# Altium PCB Pleiades_PP.PcbDoc (part 11 of 15) (continued)
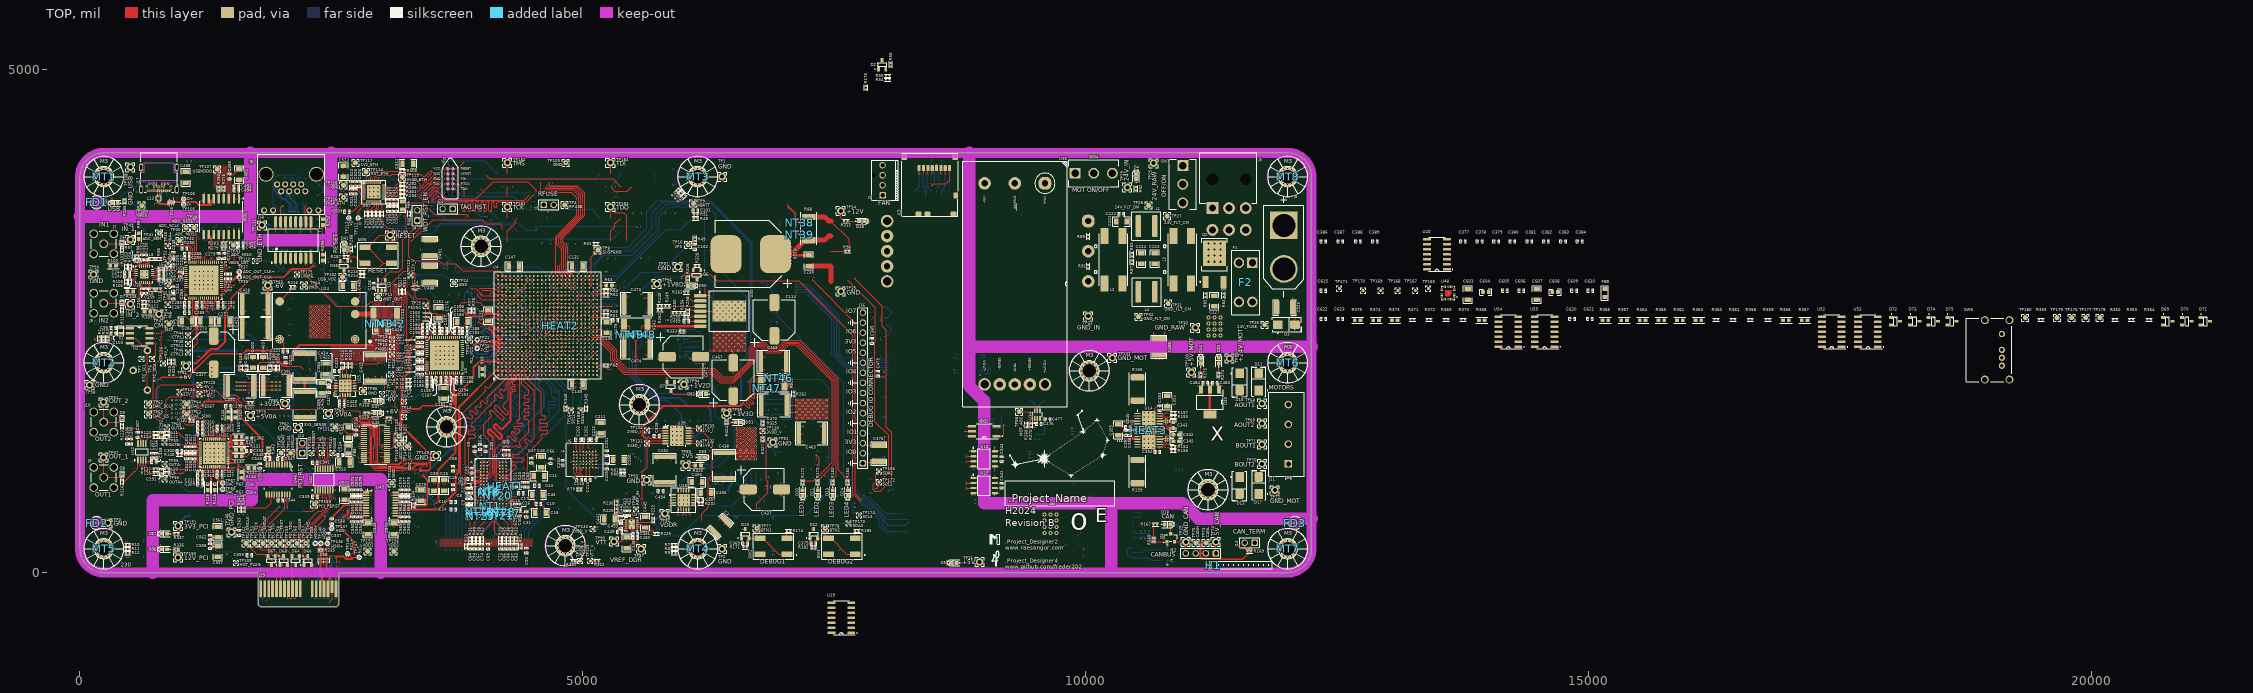
[diagram p0: TOP view]
## Nets (pads, with @x,y where several pads share a name; then routed paths per layer and width w, separated by ;. In a path a pad name is that pad's centre, name@x,y a point inside that pad or via, vN(x,y) a via of type N, cw(c..) or ccw(c..) an arc to the next point about the centre after c; other vN are vias at no path point) (continued)
  other v2: 4826.34,187.17 4786.34,197.88 4866.34,197.88 4757.06,227.17 4895.62,227.17 4746.34,267.17 4906.34,267.17 4757.31,307.27 4895.62,307.17 4786.34,336.45 4866.34,336.45 4826.34,347.17 6535,1130.81 6595,1130.81 6655,1130.81 6715,1130.81 6565,1160.81 6625,1160.81 6685,1160.81 6535,1190.81 6595,1190.81 6655,1190.81 6565,1220.81 6625,1220.81 6685,1220.81 6535,1250.81 6595,1250.81 6655,1250.81 6715,1250.81 6565,1280.81 6625,1280.81 6685,1280.81 6535,1310.81 6595,1310.81 6655,1310.81 6715,1310.81 6565,1340.81 6625,1340.81 6685,1340.81 3645.24,1368.27 6535,1370.81 6595,1370.81 6655,1370.81 6715,1370.81 3605.24,1378.99 3685.24,1378.99 6565,1400.81 6625,1400.81 6685,1400.81 3575.95,1408.27 3714.52,1408.27 6535,1430.81 6595,1430.81 6655,1430.81 6715,1430.81 3565.24,1448.27 3725.24,1448.27 3576.2,1488.38 3714.52,1488.27 3605.24,1517.55 3685.24,1517.55 3645.24,1528.27 7125,1535 7185,1535 7245,1535 7305,1535 7365,1535 7425,1535 7155,1565 7215,1565 7275,1565 7335,1565 7395,1565 5562.56,1588.74 7185,1595 7245,1595 7305,1595 7365,1595 7425,1595 5522.56,1599.46 5602.56,1599.46 7155,1625 7215,1625 7275,1625 7335,1625 7395,1625 5493.28,1628.74 5631.84,1628.74 7185,1655 7245,1655 7305,1655 7365,1655 7425,1655 5482.56,1668.74 5642.56,1668.74 7155,1685 7215,1685 7275,1685 7335,1685 7395,1685 5493.53,1708.85 5631.84,1708.74 7125,1715 7185,1715 7245,1715 7305,1715 7365,1715 7425,1715 5522.56,1738.02 5602.56,1738.02 5562.56,1748.74 6365,2210 6425,2210 6545,2210 6605,2210 6335,2240 6395,2240 6455,2240 6515,2240 6575,2240 6305,2270 6365,2270 6425,2270 6485,2270 6545,2270 6605,2270 6335,2300 6395,2300 6455,2300 6515,2300 6575,2300 6305,2330 6365,2330 6425,2330 6485,2330 6545,2330 6605,2330 2293.49,2347.41 2353.49,2347.41 2413.49,2347.41 2473.49,2347.41 6335,2360 6395,2360 6455,2360 6515,2360 6575,2360 2323.49,2377.41 2383.49,2377.41 2443.49,2377.41 6305,2390 6365,2390 6425,2390 6485,2390 6545,2390 6605,2390 2293.49,2407.41 2353.49,2407.41 2413.49,2407.41 2473.49,2407.41 2323.49,2437.41 2383.49,2437.41 2443.49,2437.41 2293.49,2467.41 2353.49,2467.41 2413.49,2467.41 2473.49,2467.41 2323.49,2497.41 2383.49,2497.41 2443.49,2497.41 6305,2510 6365,2510 6425,2510 6485,2510 6545,2510 6605,2510 2293.49,2527.41 2353.49,2527.41 2413.49,2527.41 2473.49,2527.41 6335,2540 6395,2540 6455,2540 6515,2540 6575,2540 2323.49,2557.41 2383.49,2557.41 2443.49,2557.41 6305,2570 6365,2570 6425,2570 6485,2570 6545,2570 6605,2570 2293.49,2587.41 2353.49,2587.41 2413.49,2587.41 2473.49,2587.41 6395,2600 6455,2600 6515,2600 6575,2600 2323.49,2617.41 2383.49,2617.41 2443.49,2617.41 6305,2630 6365,2630 6425,2630 6485,2630 6545,2630 6605,2630 2293.49,2647.41 2353.49,2647.41 2413.49,2647.41 2473.49,2647.41 6335,2660 6395,2660 6455,2660 6515,2660 6575,2660 6305,2690 6365,2690 6425,2690 6485,2690 6545,2690 6605,2690 3987.76,3163.54 3947.76,3174.26 4027.76,3174.26 3918.47,3203.54 4057.04,3203.54 3907.76,3243.54 4067.76,3243.54 4057.04,3283.54 3918.72,3283.65 3947.76,3312.83 4027.76,3312.83 3987.76,3323.54
  other v3: 5485.12,443.37 5462.48,480.77 5485.12,518.17 1248.39,1103.39 1291.69,1103.39 1335,1103.39 1378.31,1103.39 1421.61,1103.39 1248.39,1146.69 1291.69,1146.69 1335,1146.69 1378.31,1146.69 1421.61,1146.69 1248.39,1190 1291.69,1190 1335,1190 1378.31,1190 1421.61,1190 1248.39,1233.31 1291.69,1233.31 1335,1233.31 1378.31,1233.31 1421.61,1233.31 1248.39,1276.61 1291.69,1276.61 1335,1276.61 1378.31,1276.61 1421.61,1276.61 1186.69,2818.39 1230,2818.39 1273.31,2818.39 1316.61,2818.39 1186.69,2861.69 1230,2861.69 1273.31,2861.69 1316.61,2861.69 1186.69,2905 1230,2905 1273.31,2905 1316.61,2905 618.35,2943.35 661.65,2943.35 1186.69,2948.31 1230,2948.31 1273.31,2948.31 1316.61,2948.31 618.35,2986.65 661.65,2986.65 1186.69,2991.61 1230,2991.61 1273.31,2991.61 1316.61,2991.61
  other v4: 9590,395 9650,395 9710,395 9590,455 9650,455 9710,455 9590,515 9650,515 9710,515 9590,575 9650,575 9710,575
  other v7: 2636.52,1818.05 2636.52,1896.79
GND_CAN: C358.2 C359.2 C360.2 FB4.2 J12.4 Q4.2 R170.2 TP75.1 U18.11 U18.15 | length 636.8
  TOP w12: Q4.2@10882.4,305.31 10882.56,305.16 10994.84,305.16 TP75.1@10995,305 J12.4@10995,190
  BOT w10: C360.2@10550,392.5 v1(10550,415) ; C359.2@10590,392.5 v1(10590,415) ; C358.2@10630,392.5 v1(10630,415)
  BOT w12: U18.15@10468.06,400 10495.56,400 10503.06,392.5 C360.2@10550,392.5 C359.2@10590,392.5 C358.2@10630,392.5 ; U18.11@10468.06,600 10542.5,600 R170.2@10550,592.5 ; v5(10808.54,75) FB4.2@10808.54,120 v5(10855,120)
  other v1: 11125,155 11165,155 11125,225 11165,225
GND_FILTER_CM: C223.2 L3.4 L4.2 TP31.1
GND_FILTER_DM: C224.2 C226.2 L2.3 L4.1 R87.2 TP32.1
GND_IN: C219.2 C220.2 C221.2 C222.2 C486.1 D4.2 L2.4 R91.2 R276.2 SW4.2 TP33.1 U7.3 U36.3 | length 190.9
  TOP w10: 10675,2391 10675,2368.72 10717.72,2326 C486.1@10730,2326 10742.28,2326 10785,2368.72 v1(10785,2391.94)
  other v1: 10670,2656
GND_MOT: C339.2 C340.2 C341.2 C344.2 C345.2 C346.2 C347.2 C348.2 C349.2 C350.2 C351.2 C352.2 C353.2 C354.2 C355.2 C356.2 C357.2 C476.2 C477.2 C478.2 C480.2 C481.2 C482.2 C483.2 C484.2 C485.2 C486.2 D10.2 D11.2 D12.2 D13.2 D14.1 D15.1 D16.1 D17.1 D33.2 D34.2 HEAT3.1 HEAT3.2 ISO1.2 Q3.2 R155.2 R156.2 R157.2 R158.2 R159.2 R163.2 R164.2 R165.2 R166.2 R269.2 R270.2 TP72.1 TP101.1 U13.5 U14.7 U14.21 U14.PAD U15.5 U16.5 U17.5 U32.9 U32.15 U33.3 U34.2 U35.2 U35.4 U36.4 U36.5 | length 2833.4
  TOP w10: U15.5@9096.3,790 v1(9138.8,790) ; v1(9096.3,1012.5) U16.5@9096.3,1055 ; C341.2@9165,847.81 v1(9187.5,847.81) ; C344.2@9165,1112.5 v1(9187.5,1112.5) ; v1(9500,1450) 9500.38,1450.38 9500.38,1462.88 C476.2@9517.5,1480 ; v1(9605,1502.5) C477.2@9605,1525 ; v1(10378.13,1408.12) C357.2@10400.63,1408.12 ; R156.2@10484.9,1955.1 v1@10484.9,1986.58 ; v1@10485,848.52 R159.2@10485,880 ; R156.2@10514.9,1955.1 v1@10514.9,1986.58 ; v1@10515,848.52 R159.2@10515,880 ; R156.2@10544.9,1955.1 v1@10544.9,1986.58 ; v1@10545,848.52 R159.2@10545,880 ; v3(10668.31,1588.23) 10674.21,1588.23 10686.93,1600.94 10686.93,1629.09 v1(10710.16,1652.32) C353.2@10732.66,1652.32 ; v1(10675,1200) C354.2@10697.5,1200 ; v1@10700,2118.52 C486.2@10700,2150 ; v1@10730,2118.52 C486.2@10730,2150 ; v1@10760,2118.52 C486.2@10760,2150 ; C352.2@10809.9,1758.1 v1@10809.9,1789.58 ; R158.2@10887.5,1210 v1(10910,1210) ; R157.2@10890,1590 v1(10912.5,1590) ; C345.2@10928.5,1305 10928.6,1305.1 10960.08,1305.1 v1(10960.18,1305.2) ; v1(11207.5,1907.5) C484.2@11207.5,1885 v1(11237.5,1885) ; U35.2@11235,1820 11237.5,1822.5 v1(11237.5,1885) ; v1(11267.5,1907.5) C483.2@11267.5,1885 v1(11237.5,1885)
  TOP w12: R270.2@9455,1447.5 9497.5,1447.5 v1(9500,1450) ; C476.2@9517.5,1480 9518.75,1481.25 9518.75,1530.95 U34.2@9520,1532.2 ; C355.2@10325,1473 10335,1473 10358,1450 C340.2@10402.5,1450 10401.25,1448.75 10401.25,1408.75 10400.63,1408.12 C357.2@10400,1407.5 C356.2@10440,1407.5 ; U14.7@10489.36,1427.8 U14.7@10514.76,1427.8 10612.2,1427.8 v3(10625,1415) ; v3(10668.31,1241.77) 10675,1235.08 v1(10675,1200) ; v3(10668.31,1415) 10681.1,1402.2 U14.21@10735.24,1402.2
  TOP w25: U35.4@11235,1570 U35.2@11235,1820
  BOT w10: U32.9@8946.3,2162.5 v1(8988.8,2162.5) ; C478.2@9014.68,2017.5 v1(9030.59,2001.59) ; Q3.2@9085,1615 v1(9085,1637.5) ; U13.5@9096.3,940.31 v1(9096.3,962.81) ; U17.5@9096.3,1205 v1(9138.8,1205) ; C339.2@9165,882.81 v1(9165,905.31) ; C346.2@9165,1147.81 v1(9165,1170.31) ; v1(9439.06,785) C481.2@9462.28,785 ; v1(9500,1315) R269.2@9500,1337.5 ; C481.2@9547.72,785 v1(9570.94,785) ; v1@9858.52,875 C480.2@9890,875 ; v1@9858.52,905 C480.2@9890,905 ; v1@9858.52,935 C480.2@9890,935 ; v1(9905,747.5) 9905,770 ; v1(9935,747.5) C480.2@9935,770 ; v1(9950,747.5) C480.2@9950,770 ; v1(9980,747.5) C480.2@9980,770 ; v1(10010,747.5) C480.2@10010,770 ; v1(10040,747.5) C480.2@10040,770 ; v1(10070,747.5) C480.2@10070,770 ; v1(10479.25,1556.34) 10501.75,1556.34 ; C351.2@10565,1000 v1@10565,1031.48 ; C351.2@10595,1000 v1@10595,1031.48 ; C351.2@10625,1000 v1@10625,1031.48
  BOT w12: U32.15@8946.3,2012.5 9009.68,2012.5 C478.2@9014.68,2017.5 ; U33.3@9522.5,1525 9582.5,1525 v1(9605,1502.5) ; v1(10378.13,1408.12) 10427.5,1457.5 R155.2@10460,1457.5 ; R164.2@10500,1422.5 C348.2@10541,1422.5 10572.11,1422.5 10579.61,1415 v3(10581.69,1415) ; R163.2@10501,1342.5 10565.5,1342.5 10579.61,1328.39 v3(10581.69,1328.39) ; R166.2@10503.5,1575 10501.75,1573.25 10501.75,1539.43 R165.2@10500,1537.68 10500.09,1537.59 10540.91,1537.59 C349.2@10541,1537.5
  other v1: 10485.1,848.42 10515.1,848.42 10545.1,848.42 9858.42,875.1 9858.42,905.1 9858.42,935.1 10565.1,1031.58 10595.1,1031.58 10625.1,1031.58 10809.8,1789.68 10484.8,1986.68 10514.8,1986.68 10544.8,1986.68 10700.1,2118.42 10730.1,2118.42 10760.1,2118.42
  other v2: 11216.1,743.9 11176.1,754.62 11256.1,754.62 11146.82,783.9 11285.38,783.9 11136.1,823.9 11296.1,823.9 11147.07,864.01 11285.38,863.9 11176.1,893.18 11256.1,893.18 11216.1,903.9 10035,1925 9995,1935.72 10075,1935.72 9965.72,1965 10104.28,1965 9955,2005 10115,2005 9965.97,2045.11 10104.28,2045 9995,2074.28 10075,2074.28 10035,2085
  other v3: 10581.69,1241.77 10625,1241.77 10581.69,1285.08 10625,1285.08 10668.31,1285.08 10625,1328.39 10668.31,1328.39 10581.69,1371.69 10625,1371.69 10668.31,1371.69 10581.69,1458.31 10625,1458.31 10668.31,1458.31 10581.69,1501.61 10625,1501.61 10668.31,1501.61 10581.69,1544.92 10625,1544.92 10668.31,1544.92 10581.69,1588.23 10625,1588.23
GND_RAW: C225.2 C227.2 D3.2 J5.4 J5.5 J5.6 J6.2 L3.3 R86.2 SW1.2 TP30.1 | length 284.4
  TOP w10: C225.2@12059.11,2635 v1(12115.99,2635) ; v1(12060,2543.13) C225.2@12060,2600 ; C225.2@12060,2670 v1(12060,2726.87) ; v1(12080,2408.13) D3.2@12080,2465 v1(12080,2521.87)
  other v1: 11223.13,2647 11336.87,2647
HOT_PLUG_18: J19.A1 J19.B17 TP139.1 U44.6 | length 2567.2
  TOP w10: v1(2479.4,-290) 2507.18,-262.22 J19.B17@2507.18,-195
  IN1 w5.96: v1(1820,-257.32) 1820,-280 1830,-290 v1(2479.4,-290) 2518.13,-251.28 2518.13,104.28 2454.63,167.79 2454.63,694.5 v1(2391.12,758)
  BOT w5.96: v1(1552.87,98.19) 1773.81,98.19 1797.24,74.76 J19.A1@1797.24,-141.73 1797.24,-234.57 v1(1820,-257.32) ; U44.6@2387.5,818.7 2387.5,763.26 2391.12,759.64 v1(2391.12,758)
HSI0_N: R334.2 U4.D5 U43.15 | length 2304.5
  TOP w4.33: U43.15@3137.64,667.2 3159.88,667.2 3168.01,675.34 3200.64,675.34 3214.47,661.51 3279.73,661.51 3282.15,663.93 3305.76,663.93 3308.29,661.4 3308.29,659.88 R334.2@3315,653.17 ; R334.2@3315,651.1 R334.2@3315,653.17 ; v1(3412.5,977.5) 3412.5,967.12 3460,919.62 3460,680 3443.93,663.93 3324.24,663.93 3321.71,661.4 3321.71,659.88 R334.2@3315,653.17
  TOP w8.89: v1(4255.91,2141.73) U4.D5@4275.59,2122.05
  IN1 w3.09: v1(3697.88,1269.42) 3700.73,1272.28 3700.73,1282.82 3700.91,1282.99 3700.91,1665.91 4046.87,2011.87 4074.91,2011.87 4145.68,2082.63 4211.72,2082.63 4236.26,2107.17 4236.26,2110.5 4261.31,2135.54 4269.23,2135.54 4271.04,2137.36 4271.04,2139.92 4269.23,2141.73 v1(4255.91,2141.73)
  BOT w4.33: v1(3412.5,977.5) 3414.58,977.5 3420.28,971.79 3421.79,971.79 3584.66,1134.66 3698.39,1248.39 3698.39,1268.91 v1(3697.88,1269.42)
HSI0_P: R334.1 U4.E6 U43.16 | length 2316.5
  TOP w4.33: U43.16@3137.64,692.8 3159.88,692.8 3168.01,684.66 3204.5,684.66 3218.33,670.84 3275.87,670.84 3278.29,673.26 3305.76,673.26 3308.29,675.79 3308.29,677.31 R334.1@3315,684.02 ; R334.1@3315,686.1 R334.1@3315,684.02 ; v1(3395.53,960.53) 3405.91,960.53 3450.67,915.76 3450.67,683.86 3440.07,673.26 3324.24,673.26 3321.71,675.79 3321.71,677.31 R334.1@3315,684.02
  TOP w8.89: v1(4295.28,2141.73) U4.E6@4314.96,2161.42
  IN1 w3.09: v1(3715.84,1253.5) 3715.84,1274.87 3710,1280.7 3710,1662.14 4050.63,2002.77 4078.68,2002.77 4149.45,2073.54 4215.49,2073.54 4245.36,2103.41 4245.36,2106.73 4265.08,2126.45 4273,2126.45 4280.14,2133.59 4280.14,2139.92 4281.95,2141.73 v1(4295.28,2141.73)
  BOT w4.33: v1(3395.53,960.53) 3423.72,960.53 3593.99,1130.8 3715.84,1252.65 v1(3715.84,1253.5)
HSO0_N: U4.A2 U43.13 | length 2090.5
  TOP w4.33: U43.13@3137.64,616.02 3159.88,616.02 3168.01,624.16 3569.16,624.16 3742.43,797.43 3742.43,969.21 3777.45,1004.23 3777.45,1645.61 4150.8,2018.96 4154.38,2018.96 4156.92,2016.42 4156.92,2004.5 U4.A2@4157.48,2003.94
HSO0_P: U4.A3 U43.14 | length 2090.5
  TOP w4.33: U43.14@3137.64,641.61 3159.88,641.61 3168.01,633.48 3565.29,633.48 3733.1,801.29 3733.1,973.07 3768.12,1008.09 3768.12,1649.47 4146.93,2028.29 4154.38,2028.29 4156.92,2030.82 4156.92,2042.74 U4.A3@4157.48,2043.31
IMU_FSYNC: TP171.1 U4.L7 U48.11
IMU_INT: TP165.1 U4.L6 U48.12
IMU_SCLK: TP167.1 U4.M8 U48.23
IMU_SDI: TP168.1 U4.L4 U48.24
IMU_SDO: TP169.1 U4.L3 U48.9
IN0: U4.AF12 U19.3
IN1: U4.AD12 U19.6
IN2: U4.AD13 U19.8
IN3: U4.AC13 U19.11
INTRP: R292.2 U4.M21 U37.21 | length 3546.2
  TOP w5.95: v1(3270,3845) 3330,3905 3400,3905 3400.83,3904.17 3402.93,3902.07 3421.28,3883.72 cw(c3412.11,3874.54) 3421.28,3865.36 3401.16,3845.24 ccw(c3410.34,3836.06) 3401.16,3826.89 ccw(c3410.34,3836.06) 3419.51,3826.89 3455.8,3863.18 cw(c3464.98,3854) 3474.16,3863.18 cw(c3464.98,3854) 3474.16,3844.83 3393.74,3764.41 ccw(c3402.92,3755.23) 3393.74,3746.05 ccw(c3402.92,3755.23) 3412.09,3746.05 3492.51,3826.47 cw(c3501.69,3817.3) 3510.86,3826.47 cw(c3501.69,3817.3) 3510.86,3808.12 3430.44,3727.7 ccw(c3439.62,3718.53) 3430.44,3709.35 ccw(c3439.62,3718.53) 3448.8,3709.35 3529.22,3789.77 cw(c3538.39,3780.59) 3547.57,3789.77 cw(c3538.39,3780.59) 3547.57,3771.42 3501.34,3725.19 ccw(c3510.52,3716.01) 3501.34,3706.83 ccw(c3510.52,3716.01) 3519.69,3706.83 3549.75,3736.89 cw(c3558.93,3727.72) 3568.11,3736.89 3605,3700 3617.35,3700 4415,3700 v1(4465,3750)
  TOP w8.89: U4.M21@4590.55,2751.97 v1(4610.24,2771.65)
  TOP w10: U37.21@3017.91,3794.68 3081.72,3794.68 3152.04,3865 R292.2@3187.5,3865 3207.5,3845 v1(3270,3845)
  IN1 w3.68: v1(3270,3845) 3305,3845 v1(3345,3805)
  IN2 w3.68: v1(4465,3750) 4465,3635 4485,3615 4485,3255 4625,3115 4625,2786.42 v1(4610.24,2771.65)
IO0_14: C377.1 D25.2 J16.2 U19.2
IO1_14: C378.1 D26.2 J16.4 U19.5
IO2_14: C379.1 D27.2 J16.6 U19.9
IO3_14: C380.1 D28.2 J16.8 U19.12
IO4_14: C381.1 D29.2 J16.10 U20.3
IO5_14: C382.1 D30.2 J16.12 U20.6
IO6_14: C383.1 D31.2 J16.14 U20.8
IO7_14: C384.1 D32.2 J16.16 U20.11
IO_IN_EN: U4.AA12 U19.1 U19.4 U19.10 U19.13
IO_OUT_EN: U4.AC12 U20.1 U20.4 U20.10 U20.13
LDM: NT16.2 U1.E7 U4.J3 | length 2926
  TOP w8.89: v1(4157.48,984.25) U1.E7@4173.23,968.5 ; U4.J3@4472.44,2043.31 v1(4492.13,2023.62)
  IN1 w5.75: v1(4157.48,984.25) 4188.98,984.25 4203.44,998.71 4220.23,998.71 4240.09,1018.57 4240.09,1129.88 4240.09,1132.76 ccw(c4223.71,1132.76) 4223.71,1149.13 4167.68,1149.13 cw(c4167.68,1165.51) 4167.68,1181.89 4260.13,1181.89 ccw(c4260.13,1198.26) 4260.13,1214.64 4167.68,1214.64 cw(c4167.68,1231.02) 4167.68,1247.4 4260.13,1247.4 ccw(c4260.13,1263.77) 4260.13,1280.15 4167.68,1280.15 cw(c4167.68,1296.53) 4167.68,1312.91 4260.13,1312.91 ccw(c4260.13,1329.28) 4260.13,1345.66 4167.68,1345.66 cw(c4167.68,1362.04) 4167.68,1378.41 4260.13,1378.41 ccw(c4260.13,1394.79) 4260.13,1411.17 4167.68,1411.17 cw(c4167.68,1427.55) 4167.68,1443.92 4260.13,1443.92 ccw(c4260.13,1460.3) 4260.13,1476.68 4167.68,1476.68 cw(c4167.68,1493.06) 4167.68,1509.43 4249.76,1509.43 ccw(c4249.76,1525.81) 4249.76,1542.19 4223.71,1542.19 cw(c4223.71,1558.56) 4223.71,1574.94 ccw(c4223.71,1591.32) 4240.09,1591.32 4240.09,1666.7 4240.09,1668.31 4322.77,1750.98 4322.77,2067.91 4350,2095.14 4350,2119.46 4393.77,2163.22 4422.7,2163.22 4435,2150.92 4435,2135 4449.76,2120.24 4462.37,2120.24 4475,2107.61 4475,2040.75 v1(4492.13,2023.62)
  BOT w8.89: v1(4157.48,984.25) NT16.2@4168.5,973.23
LDQS_N: U1.F3 U4.F1 | length 1700.6
  TOP w7.01: U1.F3@4047.24,937.01 4067.01,937.01 4117.02,987.01 4117.02,1301.86 4117.02,1321.32 ccw(c4077.69,1321.32) 4105.53,1349.09 4063.2,1391.43 cw(c4072.75,1400.98) 4063.2,1410.53 cw(c4072.75,1400.98) 4082.3,1410.53 4162.25,1330.58 ccw(c4180.3,1348.63) 4198.35,1330.58 ccw(c4180.3,1348.63) 4198.35,1366.67 4122.42,1442.6 cw(c4131.97,1452.15) 4141.53,1461.7 4173.66,1429.56 ccw(c4191.71,1447.61) 4209.76,1429.56 4290,1509.81 4290,1586.48 4290,1765.79 4290,1791.31 cw(c4301.01,1791.31) 4301.01,1802.32 4322.36,1802.32 ccw(c4322.36,1813.32) 4322.36,1824.33 4301.01,1824.33 cw(c4301.01,1835.34) 4301.01,1846.35 4317.59,1846.35 ccw(c4317.59,1857.35) 4317.59,1868.36 4306.66,1868.36 cw(c4306.66,1879.37) 4298.88,1887.15 4320.87,1909.15 4342.34,1930.62 4342.34,1955.11 4351.8,1964.57 U4.F1@4354.33,1964.57
LDQS_P: U1.G3 U4.F3 | length 1700.3
  TOP w7.01: U1.G3@4047.24,905.51 4045.57,907.18 4045.57,918.34 4032.86,931.05 4032.86,942.96 4041.29,951.39 4056.28,951.39 4105,1000.11 4105,1313.87 4105,1321.32 ccw(c4077.69,1321.32) 4097.04,1340.6 4054.7,1382.93 cw(c4072.75,1400.98) 4054.7,1419.02 cw(c4072.75,1400.98) 4090.8,1419.02 4170.75,1339.07 ccw(c4180.3,1348.63) 4189.85,1339.07 ccw(c4180.3,1348.63) 4189.85,1358.18 4113.93,1434.1 cw(c4131.97,1452.15) 4113.93,1470.2 cw(c4131.97,1452.15) 4150.02,1470.2 4182.16,1438.06 ccw(c4191.71,1447.61) 4201.26,1438.06 4277.99,1514.78 4277.99,1598.5 4277.99,1883.25 4330.33,1935.59 4330.33,1960.08 4338.96,1968.72 4338.96,2027.94 U4.F3@4354.33,2043.31
M0_9: R58.2 R60.1 U4.AF22 | length 123.5
  TOP w8.89: U4.AF22@5141.73,2791.34 v1(5161.42,2811.02)
  BOT w8.89: v1(5161.42,2811.02) 5162.26,2811.02 5173.28,2800 R60.1@5212.5,2800 R58.2@5212.5,2760
M1_9: R59.2 R61.1 U4.AD16 | length 203
  TOP w8.89: U4.AD16@5062.99,2555.12 5079.3,2538.81 5196.31,2538.81 R61.1@5212.5,2555 R59.2@5212.5,2595
MDC: U4.R23 U37.12 | length 3624.4
  TOP w8.89: U4.R23@4708.66,2830.71 v1(4728.35,2850.39)
  TOP w10: v1(2911.61,3660.04) U37.12@2911.61,3688.39
  IN1 w3.68: v1(2911.61,3660.04) 2962.07,3609.59 3289.59,3609.59 3309.84,3629.84 3395.16,3629.84 3439.84,3585.16 3800.16,3585.16 3807.23,3592.23 3809.06,3594.06 ccw(c3794.77,3608.35) 3814.98,3608.35 3814.98,3628.16 cw(c3826.82,3628.16) 3838.66,3628.16 3838.66,3588.68 ccw(c3850.5,3588.68) 3862.34,3588.68 3862.34,3628.16 cw(c3874.18,3628.16) 3886.01,3628.16 3886.01,3597.58 ccw(c3897.85,3597.58) 3909.69,3597.58 3909.69,3628.16 cw(c3921.53,3628.16) 3933.37,3628.16 3933.37,3597.68 ccw(c3945.2,3597.68) 3957.04,3597.68 3957.04,3628.16 cw(c3968.88,3628.16) 3980.72,3628.16 3980.72,3597.68 ccw(c3992.56,3597.68) 4004.4,3597.68 4004.4,3628.16 cw(c4016.23,3628.16) 4028.07,3628.16 4028.07,3597.68 ccw(c4039.91,3597.68) 4051.75,3597.68 4051.75,3628.16 cw(c4063.59,3628.16) 4075.43,3628.16 4075.43,3597.68 ccw(c4087.26,3597.68) 4099.1,3597.68 4099.1,3628.16 cw(c4110.94,3628.16) 4122.78,3628.16 4122.78,3597.68 ccw(c4134.62,3597.68) 4146.46,3597.68 4146.46,3628.16 cw(c4158.29,3628.16) 4170.13,3628.16 4170.13,3611.84 ccw(c4181.97,3611.84) 4181.97,3600 4276.68,3600 ccw(c4276.68,3611.84) 4288.52,3611.84 4288.52,3628.16 cw(c4300.35,3628.16) 4312.19,3628.16 4312.19,3597.68 ccw(c4324.03,3597.68) 4335.87,3597.68 4335.87,3628.16 cw(c4347.71,3628.16) 4359.55,3628.16 4359.55,3597.68 ccw(c4371.38,3597.68) 4383.22,3597.68 4383.22,3628.16 cw(c4395.06,3628.16) 4406.9,3628.16 4406.9,3597.68 ccw(c4418.74,3597.68) 4430.58,3597.68 4430.58,3621.67 cw(c4442.41,3621.67) 4454.25,3621.67 4454.25,3611.84 ccw(c4466.09,3611.84) 4466.09,3600 4505,3600 v1(4540,3635)
  IN2 w3.68: v1(4540,3635) 4560,3615 4560,3280 4715,3125 4715,2863.74 v1(4728.35,2850.39)
MDIO: R291.2 U4.AB24 U37.11 | length 3624.4
  TOP w8.89: U4.AB24@4984.25,2870.08 v1(5003.94,2889.76)
  TOP w10: R291.2@2845,3582.5 2845,3602.44 2891.93,3649.37 U37.11@2891.93,3688.39
  IN1 w3.68: v1(2856.46,3613.95) 2868.95,3613.95 2885.88,3630.88 2885.88,3662.83 2899.93,3676.88 2946.45,3676.88 2981.67,3641.66 3526.66,3641.66 3535,3650 3900,3650 3925,3675 4325,3675 4326.84,3675 ccw(c4326.84,3686.84) 4338.68,3686.84 4338.68,3701.49 cw(c4350.52,3701.49) 4362.35,3701.49 4362.35,3657.09 ccw(c4374.19,3657.09) 4386.03,3657.09 4386.03,3701.49 cw(c4397.87,3701.49) 4409.71,3701.49 4409.71,3651.54 ccw(c4421.55,3651.54) 4433.38,3651.54 4433.38,3701.49 cw(c4445.22,3701.49) 4457.06,3701.49 4457.06,3657.68 ccw(c4468.9,3657.68) 4480.74,3657.68 4480.74,3688.43 cw(c4492.58,3688.43) 4504.41,3688.43 4504.41,3686.84 ccw(c4516.25,3686.84) 4516.25,3675 4540,3675 4555,3675 4630,3750 v1(4880,3750)
  IN2 w3.68: v1(4880,3750) 4950,3680 4950,2889 4964,2875 4989.17,2875 v1(5003.94,2889.76)
MISO: TP43.1 U4.R9 U9.64 | length 4012.9
  TOP w8.89: U4.R9@4708.66,2279.53 v1(4728.35,2259.84)
  TOP w10: U9.64@1406.18,3052.64 1416.46,3052.64 1532,3168.18 ; TP43.1@1525,3255 1532,3248 1532,3168.18 ; v1(1630,2900) 1630,3005 1532,3103 1532,3168.18
  IN2 w5: v1(1630,2900) 1862.28,2667.72 2612.28,2667.72 2757.26,2522.74 3872.26,2522.74 3920,2475 4070,2475 4078.16,2466.84 4138.11,2466.84 4145.54,2474.28 4569.55,2474.28 4677.48,2366.35 4677.48,2292.52 4710.16,2259.84 v1(4728.35,2259.84)
MOSI: TP42.1 U4.P8 U9.14 | length 4308.3
  TOP w6: TP42.1@990,3300 1040,3300 1121.73,3218.27 U9.14@1121.73,3081.18
  TOP w8.89: U4.P8@4669.29,2240.16 v1(4688.98,2259.84)
  IN2 w5: v1(1122.03,3113.67) 1175.39,3113.67 1246.25,3042.81 1304.14,3042.81 1466.95,2880 1598.07,2880 1844.03,2634.03 2287.78,2634.03 2287.9,2633.91 2419.08,2633.91 2419.21,2634.03 2467.78,2634.03 2467.9,2633.91 2479.08,2633.91 2479.21,2634.03 2590.97,2634.03 2717.56,2507.44 3782.56,2507.44 3858.25,2431.75 4008.25,2431.75 4030,2410 4375,2410 4400,2435 4575.65,2435 4665.2,2345.46 4665.2,2283.62 v1(4688.98,2259.84)
MOT_ADC_VREF_24: R267.2 R269.1 U33.2 | length 251
  BOT w10: R269.1@9500,1372.5 R267.2@9540,1372.5 9577.5,1372.5 9595,1390 9595,1460 9580,1475 U33.2@9522.5,1475
MOT_AMP_VREF_24: R268.2 R270.1 U34.1 | length 127
  TOP w10: R268.2@9410,1482.5 R270.1@9455,1482.5 9455,1520 9467.2,1532.2 U34.1@9494.41,1532.2
MOT_CURR_SPI.\CS: U4.U23 U32.3 | length 3990.9
  TOP w8.89: U4.U23@4787.4,2830.71 v1(4807.09,2850.39)
  IN1 w5: v1(4807.09,2850.39) 4818.98,2838.5 5338.5,2838.5 5345,2845 5378,2845 5421.5,2801.5 6061.5,2801.5 6160,2900 7125,2900 7155,2870 7155,2825 v1(7120,2790)
  BOT w5: v1(7120,2790) 7206.79,2790 7475,2521.79 7475,2175 7621,2029 7797.57,2029 7809.07,2017.5 8038.7,2017.5
MOT_CURR_SPI.DO: U4.U21 U32.6 | length 3901.5
  TOP w8.89: U4.U21@4787.4,2751.97 v1(4807.09,2771.65)
  IN1 w5: v1(4807.09,2771.65) 4863.74,2715 5255,2715 5289,2749 5619.52,2749 5637.74,2730.78 6055.78,2730.78 6090,2765 6230,2765 6330,2865 v1(7120,2865)
  BOT w5: v1(7120,2865) 7237.86,2865 7550,2552.86 7550,2175 7590,2135 7806.76,2135 7849.26,2092.5 8038.7,2092.5
MOT_CURR_SPI.FS: U4.T18 U32.4 | length 3909
  TOP w8.89: U4.T18@4748.03,2633.86 v1(4767.72,2653.54)
  IN1 w5: v1(4767.72,2653.54) 4779.22,2642.04 5094.28,2642.04 5122.24,2670 5260,2670 5280,2690 6270,2690 6285,2705 6330.36,2705 6440.36,2815 v1(7120,2815)
  BOT w5: v1(7120,2815) 7217.14,2815 7500,2532.14 7500,2175 7638,2037 7804.88,2037 7810.38,2042.5 8038.7,2042.5
MOT_CURR_SPI.SCLK: U4.T19 U32.5 | length 3923.2
  TOP w8.89: U4.T19@4748.03,2673.23 v1(4767.72,2692.91)
  IN1 w5: v1(4767.72,2692.91) 4779.22,2681.41 5246.41,2681.41 5286.22,2721.22 6311.22,2721.22 6430,2840 v1(7120,2840)
  BOT w5: v1(7120,2840) 7227.5,2840 7525,2542.5 7525,2175 7655,2045 7801.57,2045 7824.07,2067.5 8038.7,2067.5
NetC1_1: C1.1 MT2.1 R1.1 R2.1 R3.1 | length 266.5
  TOP w8.89: R1.1@193.53,2307.5 R2.1@235,2307.5 R3.1@275,2307.5
  TOP w10: v1(152.5,2313) v1(152.5,2338) ; v1(171.03,2307.5) R1.1@193.53,2307.5 ; R3.1@275,2307.5 v1(297.5,2307.5) ; v1(317.5,2313) v1(317.5,2338)
  BOT w10: v1(152.5,2313) C1.1@175,2313 ; v1(152.5,2338) C1.1@175,2338 ; C1.1@295,2313 v1(317.5,2313) ; C1.1@295,2338 v1(317.5,2338)
  other v1: 214.26,2307.5 255,2307.5
  other v2: 236.22,2006.61 196.22,2017.33 276.22,2017.33 166.94,2046.61 305.5,2046.61 156.22,2086.61 316.22,2086.61 167.19,2126.72 305.5,2126.61 196.22,2155.9 276.22,2155.9 236.22,2166.61
NetC2_1: C2.1 MT3.1 R4.1 R5.1 R6.1 | length 216.5
  TOP w8.89: R4.1@5958.05,3811.7 R5.1@5987.37,3782.37 R6.1@6015.66,3754.09
  TOP w10: v1(5942.14,3827.61) R4.1@5958.05,3811.7 ; R6.1@6015.66,3754.09 v1(6031.57,3738.18)
  BOT w10: v1(5895,3852.5) C2.1@5895,3875 ; C2.1@5895,3995 v1(5895,4017.5) ; v1(5920,3852.5) C2.1@5920,3875 ; C2.1@5920,3995 v1(5920,4017.5)
  other v1: 6001.52,3768.23 5972.71,3797.04
  other v2: 6141.73,3857.01 6101.73,3867.73 6181.73,3867.73 6072.45,3897.01 6211.01,3897.01 6061.73,3937.01 6221.73,3937.01 6072.7,3977.12 6211.01,3977.01 6101.73,4006.29 6181.73,4006.29 6141.73,4017.01
NetC3_1: C3.1 MT4.1 R7.1 R8.1 R9.1 | length 216.5
  TOP w8.89: R9.1@5922.5,193.53 R8.1@5922.5,235 R7.1@5922.5,275
  TOP w10: v1(5922.5,171.03) R9.1@5922.5,193.53 ; R7.1@5922.5,275 v1(5922.5,297.5) ; v1(6241.61,453.28) C3.1@6257.52,437.37 ; v1(6259.29,470.96) C3.1@6275.2,455.05 ; C3.1@6342.37,352.52 v1(6358.28,336.61) ; C3.1@6360.05,370.2 v1(6375.96,354.29)
  other v1: 5922.5,214.26 5922.5,255
  other v2: 6141.73,156.22 6101.73,166.94 6181.73,166.94 6072.45,196.22 6211.01,196.22 6061.73,236.22 6221.73,236.22 6072.7,276.33 6211.01,276.22 6101.73,305.5 6181.73,305.5 6141.73,316.22